# Altium PCB PCB2_routed2layers.PcbDoc (part 1 of 2)
Units mm, origin at the board's own origin, x right, y up, seen from the top; angles counter-clockwise.
Board outline 72 x 72 mm, 2 copper layers (Top Layer, Bottom Layer), stack 0.325 mm thick; 110 components, 127 nets, 562 pads, 188 vias.
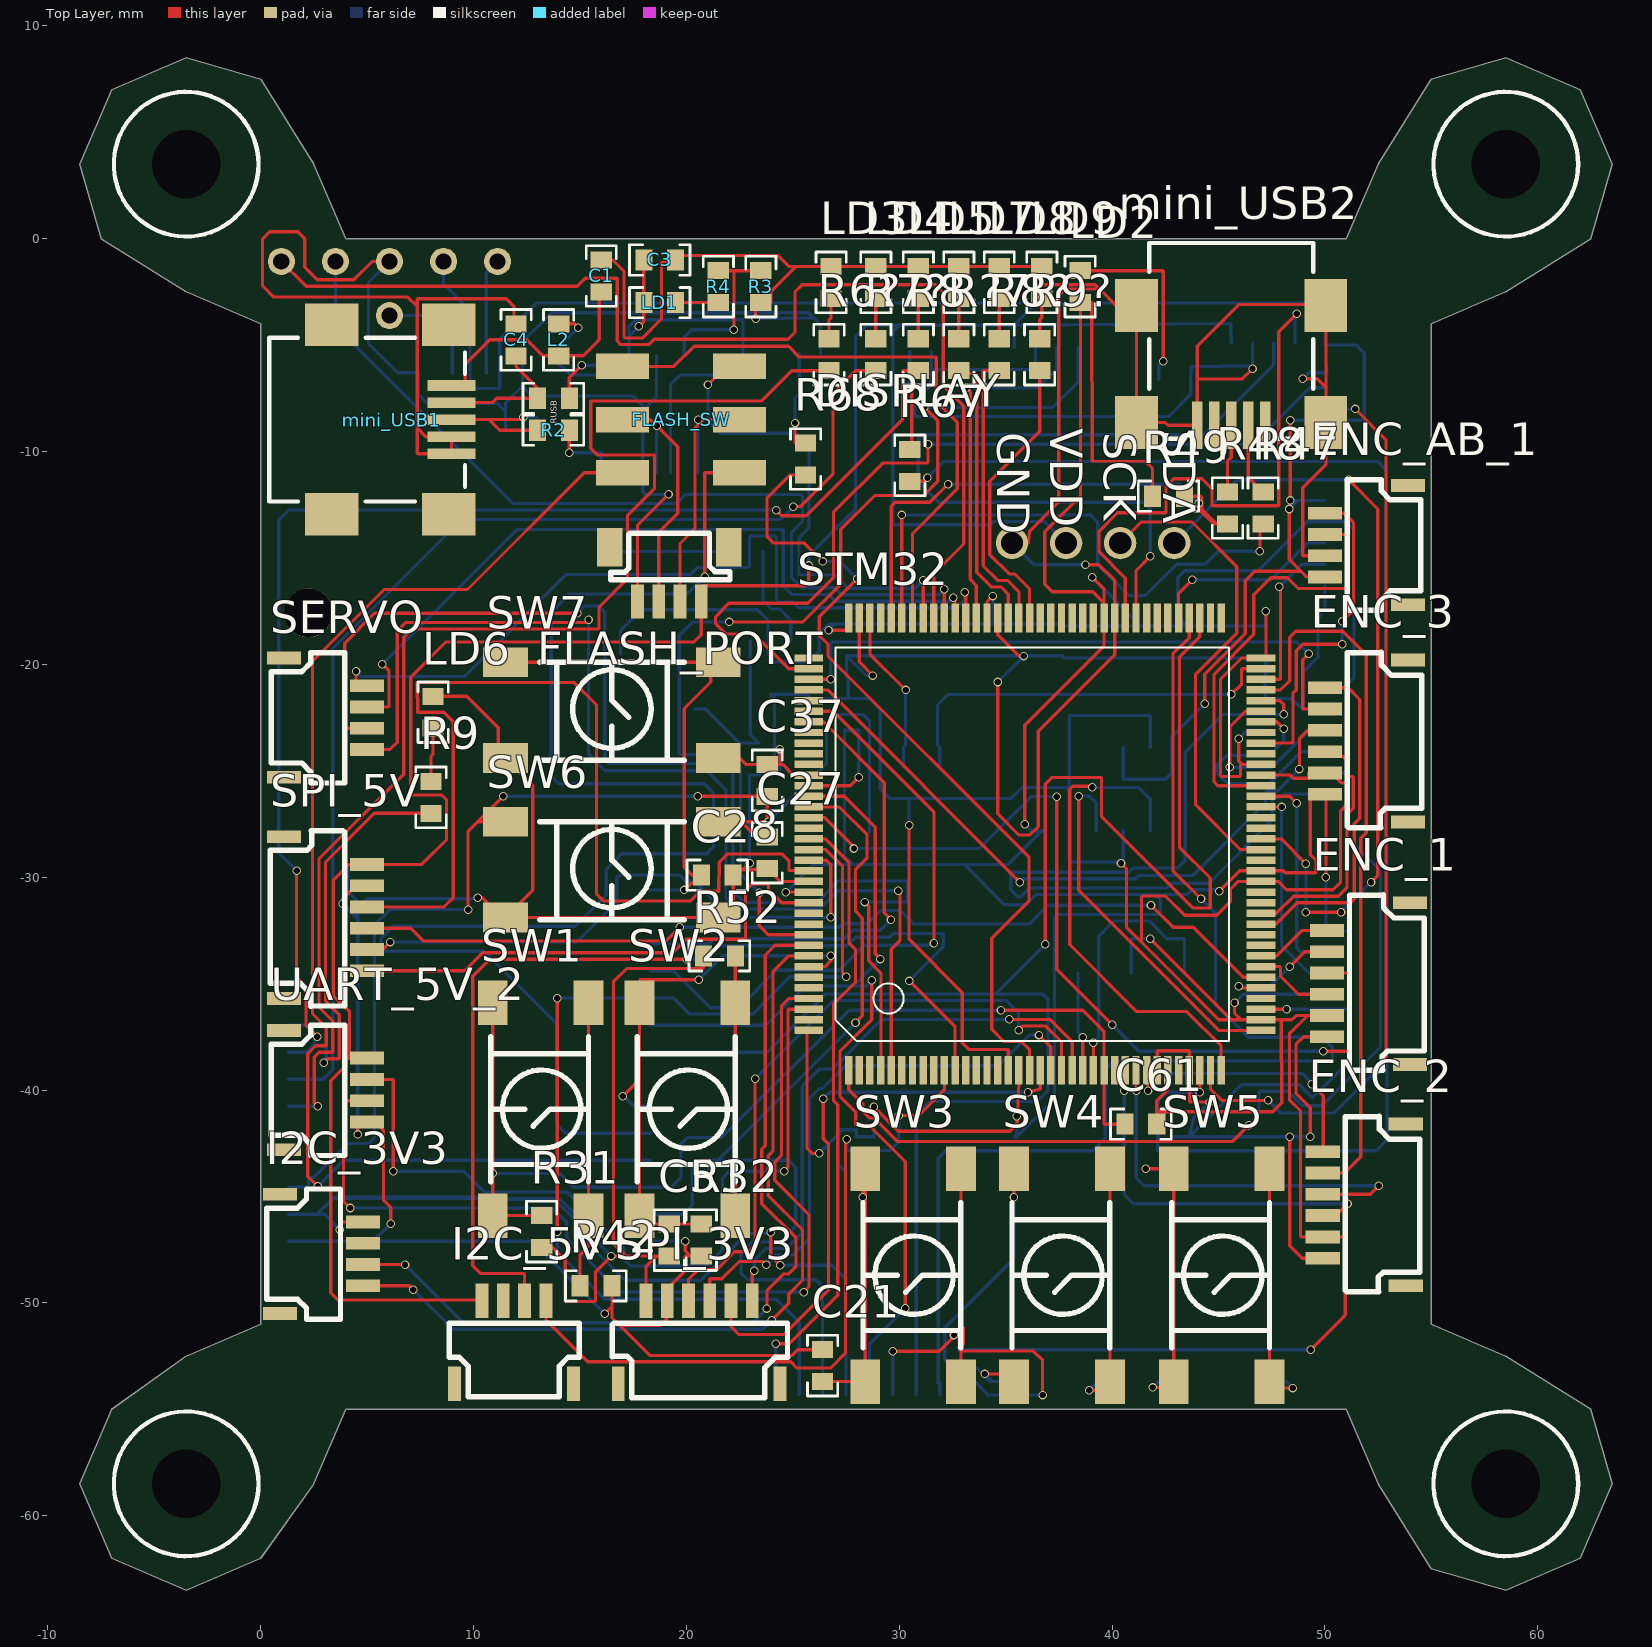
[diagram p0: Top Layer view]
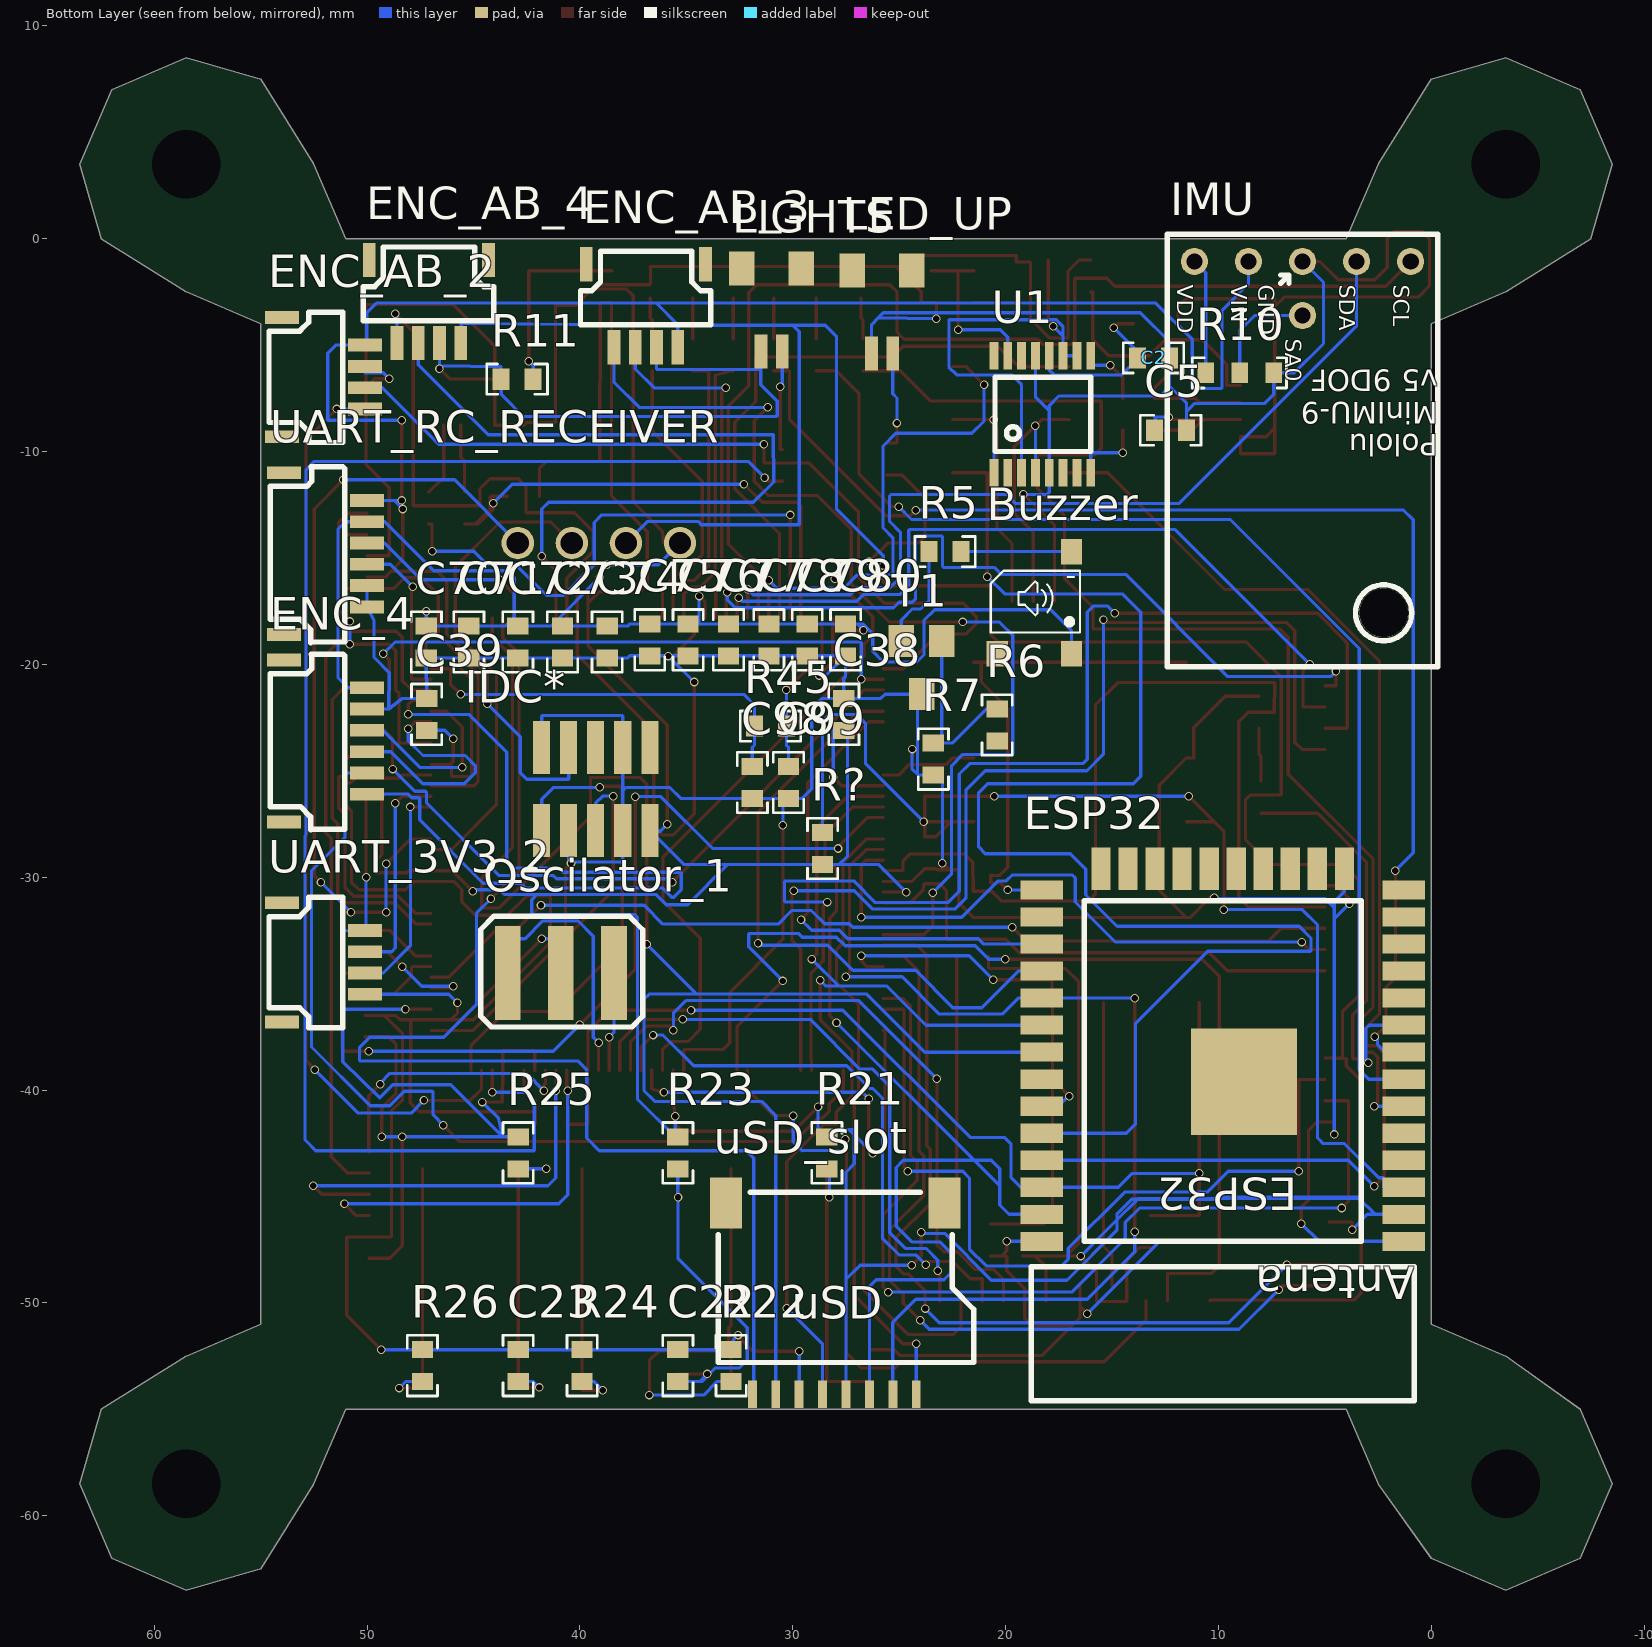
[diagram p1: Bottom Layer view, seen from below]

## Layer stack, top to bottom
Top Solder: solder mask 0.0102, Solder Resist, Dk 3.5
Top Layer: signal copper 0.0356
Dielectric 1: core 0.254, FR-4, Dk 4.2
Bottom Layer: signal copper 0.0356
Bottom Solder: solder mask 0.0102, Solder Resist, Dk 3.5

## Board outline
-7,-62 -3.5,-63.5 0,-62 2.5,-58.5 4,-55 51,-55 52.5,-58.5 55,-62.5 58.5,-63.5 62,-62 63.5,-58.5 62.5,-55 58.5,-52.5 55,-51 55,-4 58.5,-2.5 62.5,0 63.5,3.5 62,7 58.5,8.5 55,7.5 52.5,3.5 51,0 4,0 2.5,3.5 0,7.5 -3.5,8.5 -7,7 -8.5,3.5 -7.5,0 -3.5,-2.5 0,-4 0,-51 -3.5,-52.5 -7,-55 -8.5,-58.5

## Design rules (kind name [scope] priority, off if disabled: settings)
Clearance [All] p1: gap=0.152
PolygonConnect [All] p1: connectstyle=Relief reliefconductorwidth=0.254 reliefentries=4 polygonreliefangle="90 Angle" airgapwidth=0.254
RoutingVias [All] p1: holewidth=0.3 width=0.4 viastyle="Through Hole" minholewidth=0.3 minwidth=0.4 maxholewidth=0.5 maxwidth=0.6
SolderMaskExpansion [All] p1: expansion=0.102
Width [All] p1: maxlimit=0.254 minlimit=0.152 preferedwidth=0.152 minimp=50.000000 maximp=50.000000 favimp=50.000000
30 further rules are at their usual default settings.

## Components (designator, comment, footprint, x,y, rotation, side; value= is the part's Value field where it differs from the comment)
Buzzer "magnectic_buzzer" SMT-0540-S-R 16.9,-19.5 r180 bottom
C1 "0u1" 0603 16,-1 r270 top
C2 "10u" 0603 12.3,-5.6 r0 bottom
C3 "0u1" 0603 18,-1 r0 top
C4 "47p" 0603 12,-5.5 r90 top
C5 "47p" 0603 13,-9 r180 bottom
C21 "100n" 0603 26.4,-53.7 r90 top
C22 "100n" 0603 35.4,-53.7 r90 bottom
C23 "100n" 0603 42.9,-53.7 r90 bottom
C27 "0.1uF" 0603 23.8,-28.1 r270 top
C28 "0.1uF" 0603 20.7,-29.9 r0 top
C37 "0.1uF" 0603 23.8,-26.2 r90 top
C38 "22uF" 0603 27.6,-21.6 r270 bottom
C39 "0.1uF" 0603 47.2,-21.6 r270 bottom
C51 "100n" 0603 19.2,-46.3 r270 top
C61 "100n" 0603 40.6,-41.6 r0 top
C70 "4u7" 0603 47.221,-19.7 r90 bottom
C71 "100n" 0603 45.221,-19.7 r90 bottom
C72 "100n" 0603 42.921,-19.7 r90 bottom
C73 "100n" 0603 40.821,-19.7 r90 bottom
C74 "100n" 0603 38.721,-19.7 r90 bottom
C75 "100n" 0603 36.721,-19.6 r90 bottom
C76 "100n" 0603 34.921,-19.6 r90 bottom
C77 "100n" 0603 33.021,-19.6 r90 bottom
C78 "100n" 0603 31.121,-19.6 r90 bottom
C79 "100n" 0603 29.321,-19.6 r90 bottom
C80 "100n" 0603 27.521,-19.6 r90 bottom
C98 "C2u2-ESRmax2" 0603 31.9,-24.8 r270 bottom
C99 "C2u2-ESRmax2" 0603 30.2,-26.3 r90 bottom
DISPLAY "SSD1306" SSD1306 35.3,-14.3 r0 top
ENC_1 "SPI_1" "JST SR SH 1.0 - 6PIN" 54,-38.8 r90 top
ENC_2 "SPI_2" "JST SR SH 1.0 - 6PIN" 53.8,-49.2 r90 top
ENC_3 "SPI_3" "JST SR SH 1.0 - 6PIN" 53.9,-27.4 r90 top
ENC_4 "SPI_4" "JST SR SH 1.0 - 6PIN" 53.9,-19.8 r270 bottom
ENC_AB_1 "4 PIN CONNECTOR" "JST SR SH 1.0 - 4PIN" 53.9,-17.2 r90 top
ENC_AB_2 "4 PIN CONNECTOR" "JST SR SH 1.0 - 4PIN" 54,-3.7 r270 bottom
ENC_AB_3 "4 PIN CONNECTOR" "JST SR SH 1.0 - 4PIN" 34.1,-1.2 r0 bottom
ENC_AB_4 "4 PIN CONNECTOR" "JST SR SH 1.0 - 4PIN" 44.3,-1 r0 bottom
ESP32 "ESP-WROOM-32" ESP-WROOM-32 9.8,-30.6 r0 bottom
FLASH_PORT "UART_1" "JST SR SH 1.0 TOP - 4PIN" 22,-14.5 r180 top
FLASH_SW "DPDT_C&K" JS202011SCQN_C&K 22.5,-6 r270 top (schematic designator SW_DPDT_USER_USB)
I2C_3V3 "I2C_1" "JST SR SH 1.0 - 4PIN" 0.9,-44.9 r270 top
I2C_5V "I2C_2" "JST SR SH 1.0 - 4PIN" 9.1,-53.8 r0 top
IDC* "IDC" IDC_10_1.27 41.8,-27.8 r180 bottom
IMU "MinIMU-9 v5 9DOF" "MinIMU-9 v5 9DOF - GOLDPINS" 12.4,0.2 r0 bottom
L2 "1u" R0603 14,-5.5 r90 top
LD1 "GREEN" 0603 18,-3 r0 top
LD2 "GREEN" 0603 38.5,-3 r90 top
LD3 "BLUE_BT" 0603 26.8,-2.8 r90 top
LD4 "BLUE_WIFI" 0603 28.9,-2.8 r90 top
LD5 "BLUE_STM" 0603 30.9,-2.8 r90 top
LD6 "RED_FAULT" 0603 8.1,-23 r90 top
LD7 "BLUE_WIFI" 0603 32.8,-2.8 r90 top
LD8 "BLUE_STM" 0603 34.7,-2.8 r90 top
LD9 "RED_FAULT" 0603 36.7,-2.8 r90 top
LED_UP "2 PIN CONNECTOR" "JST SR SH 1.0 - 2pin" 24.4,-1.5 r0 bottom
LIGHTS "2 PIN CONNECTOR" "JST SR SH 1.0 - 2pin" 29.6,-1.4 r0 bottom
mini_USB1 "651305142821" 651305142821 5,-8.5 r270 top
mini_USB2 "651305142821" 651305142821 45.6,-4.8 r180 top
Oscilator_1 "CSTCC8M00G53-R0" CSTCC8M00G53-R0 43.4,-34.5 r180 bottom
R2 "27" R0603 14.5,-9 r180 top
R3 "3k3" R0603 23.5,-1.5 r270 top
R4 "220" R0603 21.5,-3 r90 top
R5 "27" R0603 22.1,-14.7 r0 bottom
R6 "1k" R0603 20.4,-23.6 r90 bottom
R6? "220" R0603 26.7,-6.2 r90 top
R7 "10k" R0603 23.4,-25.2 r90 bottom
R7? "220" R0603 28.9,-6.2 r90 top
R8 "220" R0603 30.9,-6.2 r90 top
R8? "220" R0603 34.7,-6.2 r90 top
R9 "220" R0603 8,-27 r90 top
R9? "220" R0603 36.6,-6.2 r90 top
R10 "10k" "R0603 - double" 9,-6.3 r180 bottom
R11 "220" R0603 42.2,-6.6 r0 bottom
R21 "10k" R0603 28.4,-43.7 r90 bottom
R22 "330" R0603 32.9,-52.2 r270 bottom
R23 "10k" R0603 35.4,-43.7 r90 bottom
R24 "330" R0603 39.9,-52.2 r270 bottom
R25 "10k" R0603 42.9,-43.7 r90 bottom
R26 "330" R0603 47.4,-52.2 r270 bottom
R31 "10k" R0603 13.2,-45.9 r270 top
R32 "10k" R0603 20.7,-47.8 r90 top
R42 "330" R0603 16.5,-49.2 r180 top
R45 "0" R0603 30.3,-22.9 r0 bottom
R47 "22" R0603 47.1,-13.4 r90 top
R48 "22" R0603 45.425,-13.4 r90 top
R49 "1.5k" R0603 41.9,-12.1 r0 top
R52 "330" R0603 20.8,-33.7 r0 top
R67 "1K" R0603 30.5,-11.4 r90 top
R68 "270" R0603 25.6,-11.1 r90 top
R? "10k" R0603 28.6,-27.9 r270 bottom
R?7 "220" R0603 32.8,-6.2 r90 top
RUSB "27" R0603 14.5,-7.5 r180 top (schematic designator R1)
SERVO "TIMERS" "JST SR SH 1.0 - 4PIN" 1.1,-19.7 r270 top
SPI_3V3 "SPI_5" "JST SR SH 1.0 - 6PIN" 16.8,-53.8 r0 top
SPI_5V "SPI_6" "JST SR SH 1.0 - 6PIN" 1.1,-28.1 r270 top
STM32 "STM32F765ZIT6" LQFP144 47,-37.2 r0 top
SW1 "RESET" "LSH Gullwing" 15.4,-35.9 r90 top
SW2 "BOOT" "LSH Gullwing" 22.3,-35.9 r90 top
SW3 "LEFT" "LSH Gullwing" 32.9,-43.7 r90 top
SW4 "MIDDLE" "LSH Gullwing" 39.9,-43.7 r90 top
SW5 "RIGHT" "LSH Gullwing" 47.4,-43.7 r90 top
SW6 "RESET" "LSH Gullwing" 11.5,-27.396 r180 top
SW7 "BOOT" "LSH Gullwing" 11.5,-19.896 r180 top
T1 "NPN" SOT23 23,-18.9 r0 bottom
U1 "FT230XS" SSOP16 16,-5.5 r180 bottom
UART_3V3_2 "UART_4PIN" "JST SR SH 1.0 - 4PIN" 54,-31.2 r270 bottom
UART_5V_2 "UART_4PIN" "JST SR SH 1.0 - 4PIN" 1.1,-37.2 r270 top
UART_RC_RECEIVER "UART_X" "JST SR SH 1.0 - 6PIN" 53.9,-11 r270 bottom
uSD_slot "ATTEND 112K-TAA0-RA1" "ATTEND 112K-TAA0-RA1" 33.5,-45.3 r180 bottom

## Footprints (in the part's own frame and the unit in brackets; to place one, negate y for a bottom-side part, rotate by r counter-clockwise, add the part's x,y. Pads: shape width x height; smd on the part's side, far side on the other; paste and mask are expansions set on the pad)
0603 [mm]
  rect 0.8x1 smd: 1(0,0) 2(1.5,0)
  silkscreen extent -0.67,-0.71 2.17,0.71, body extent -0.01,-0.43 1.59,0.43, height 0.83
651305142821 [mm] "Mini USB 2.0 Type AB SMT Horizontal 5 Contacts"
  rect 0.5x2.25 smd: 1(-1.6,3.965) 2(-0.8,3.965) 3(0,3.965) 4(0.8,3.965) 5(1.6,3.965)
  rect 2x2.5 smd: Shell(-4.45,3.84) Shell(-4.45,-1.66) Shell(4.45,3.84) Shell(4.45,-1.66)
  silkscreen extent -3.85,-4.6 3.85,4.6, body extent -4.95,-4.6 4.95,4.8, height 4.1
"ATTEND 112K-TAA0-RA1" [mm]
  rect 0.42x1.3 smd: 1(9.3,-9) 2(8.2,-9) 3(7.1,-9) 4(6,-9) 5(4.9,-9) 6(3.8,-9) 7(2.7,-9) 8(1.6,-9)
  rect 1.5x2.4 smd: ""(0.37,0) ""(10.63,0)
  silkscreen extent 0,-7.5 12,0.5, body extent 0,-8.96 12.1,1, height 1.49
CSTCC8M00G53-R0 [mm]
  rect 1.2x4.4 smd: 1(0,0) 2(2.5,0) 3(5,0)
  silkscreen extent -1.27,-2.54 6.35,2.67, body extent -1.06,-1.52 6.14,1.48, height 1.25
ESP-WROOM-32 [mm]
  rect 2x0.9 smd: 1(-8.5,16.51) 2(-8.5,15.24) 3(-8.5,13.97) 4(-8.5,12.7) 5(-8.5,11.43) 6(-8.5,10.16) 7(-8.5,8.89) 8(-8.5,7.62) 9(-8.5,6.35) 10(-8.5,5.08) 11(-8.5,3.81) 12(-8.5,2.54) 13(-8.5,1.27) 14(-8.5,0) 25(8.5,0) 26(8.5,1.27) 27(8.5,2.54) 28(8.5,3.81) 29(8.5,5.08) 30(8.5,6.35) 31(8.5,7.62) 32(8.5,8.89) 33(8.5,10.16) 34(8.5,11.43) 35(8.5,12.7) 36(8.5,13.97) 37(8.5,15.24) 38(8.5,16.51)
  rect 0.9x2 smd: 15(-5.715,-1) 16(-4.445,-1) 17(-3.175,-1) 18(-1.905,-1) 19(-0.635,-1) 20(0.635,-1) 21(1.905,-1) 22(3.175,-1) 23(4.445,-1) 24(5.715,-1)
  rect 5x5 smd: ""(-1,9.01)
  silkscreen extent -9,0.51 9,24, body extent -9,-1.5 9,24, height 2.91
IDC_10_1.27 [mm]
  rect 0.8x2.5 smd: 1(0,0) 2(1.27,0) 3(2.54,0) 4(3.81,0) 5(5.08,0) 6(0,3.9) 7(1.27,3.9) 8(2.54,3.9) 9(3.81,3.9) 10(5.08,3.9)
  body extent -3.85,-0.84 8.75,4.83, height 5.65
JS202011SCQN_C&K [mm]
  rect 1.2x2.5 smd: 1(0,-5.5) 2(2.5,-5.5) 3(5,-5.5) 4(0,0) 5(2.5,0) 6(5,0)
  body extent -2,-6.55 7,0.95, height 5.52
"JST SR SH 1.0 - 2pin" [mm]
  rect 1.2x1.6 smd: 0(0,0) 0(2.8,0)
  rect 0.6x1.6 smd: 1(0.9,3.9) 2(1.9,3.9)
  body extent -0.59,-0.87 3.4,4.12, height 3
"JST SR SH 1.0 - 4PIN" [mm]
  rect 0.6x1.6 smd: 1(1.3,3.9) 2(2.3,3.9) 3(3.3,3.9) 4(4.3,3.9) 7(5.6,0) 8(0,0)
  silkscreen extent -0.25,-0.61 5.88,2.85, body extent -0.22,-0.75 5.77,4.2, height 2.96
"JST SR SH 1.0 - 6PIN" [mm]
  rect 0.6x1.6 smd: 1(1.3,3.9) 2(2.3,3.9) 3(3.3,3.9) 4(4.3,3.9) 5(5.3,3.9) 6(6.3,3.9) 7(7.6,0) 8(0,0)
  silkscreen extent -0.28,-0.66 7.98,2.84, body extent -0.16,-0.66 7.84,4.29, height 2.9
"JST SR SH 1.0 TOP - 4PIN" [mm]
  rect 0.6x1.6 smd: 1(1.3,2.55) 2(2.3,2.55) 3(3.3,2.55) 4(4.3,2.55)
  rect 1.2x1.8 smd: 7(5.6,0) 8(0,0)
  silkscreen extent -0.05,-0.66 5.55,1.52, body extent -0.22,-0.88 5.77,2.72, height 4.35
LQFP144 [mm]
  rect 0.35x1.35 smd: 1(-19.375,-1.875) 2(-18.875,-1.875) 3(-18.375,-1.875) 4(-17.875,-1.875) 5(-17.375,-1.875) 6(-16.875,-1.875) 7(-16.375,-1.875) 8(-15.875,-1.875) 9(-15.375,-1.875) 10(-14.875,-1.875) 11(-14.375,-1.875) 12(-13.875,-1.875) 13(-13.375,-1.875) 14(-12.875,-1.875) 15(-12.375,-1.875) 16(-11.875,-1.875) 17(-11.375,-1.875) 18(-10.875,-1.875) 19(-10.375,-1.875) 20(-9.875,-1.875) 21(-9.375,-1.875) 22(-8.875,-1.875) 23(-8.375,-1.875) 24(-7.875,-1.875) 25(-7.375,-1.875) 26(-6.875,-1.875) 27(-6.375,-1.875) 28(-5.875,-1.875) 29(-5.375,-1.875) 30(-4.875,-1.875) 31(-4.375,-1.875) 32(-3.875,-1.875) 33(-3.375,-1.875) 34(-2.875,-1.875) 35(-2.375,-1.875) 36(-1.875,-1.875) 73(-1.875,19.375) 74(-2.375,19.375) 75(-2.875,19.375) 76(-3.375,19.375) 77(-3.875,19.375) 78(-4.375,19.375) 79(-4.875,19.375) 80(-5.375,19.375) 81(-5.875,19.375) 82(-6.375,19.375) 83(-6.875,19.375) 84(-7.375,19.375) 85(-7.875,19.375) 86(-8.375,19.375) 87(-8.875,19.375) 88(-9.375,19.375) 89(-9.875,19.375) 90(-10.375,19.375) 91(-10.875,19.375) 92(-11.375,19.375) 93(-11.875,19.375) 94(-12.375,19.375) 95(-12.875,19.375) 96(-13.375,19.375) 97(-13.875,19.375) 98(-14.375,19.375) 99(-14.875,19.375) 100(-15.375,19.375) 101(-15.875,19.375) 102(-16.375,19.375) 103(-16.875,19.375) 104(-17.375,19.375) 105(-17.875,19.375) 106(-18.375,19.375) 107(-18.875,19.375) 108(-19.375,19.375)
  rect 1.35x0.35 smd: 37(0,0) 38(0,0.5) 39(0,1) 40(0,1.5) 41(0,2) 42(0,2.5) 43(0,3) 44(0,3.5) 45(0,4) 46(0,4.5) 47(0,5) 48(0,5.5) 49(0,6) 50(0,6.5) 51(0,7) 52(0,7.5) 53(0,8) 54(0,8.5) 55(0,9) 56(0,9.5) 57(0,10) 58(0,10.5) 59(0,11) 60(0,11.5) 61(0,12) 62(0,12.5) 63(0,13) 64(0,13.5) 65(0,14) 66(0,14.5) 67(0,15) 68(0,15.5) 69(0,16) 70(0,16.5) 71(0,17) 72(0,17.5) 109(-21.25,17.5) 110(-21.25,17) 111(-21.25,16.5) 112(-21.25,16) 113(-21.25,15.5) 114(-21.25,15) 115(-21.25,14.5) 116(-21.25,14) 117(-21.25,13.5) 118(-21.25,13) 119(-21.25,12.5) 120(-21.25,12) 121(-21.25,11.5) 122(-21.25,11) 123(-21.25,10.5) 124(-21.25,10) 125(-21.25,9.5) 126(-21.25,9) 127(-21.25,8.5) 128(-21.25,8) 129(-21.25,7.5) 130(-21.25,7) 131(-21.25,6.5) 132(-21.25,6) 133(-21.25,5.5) 134(-21.25,5) 135(-21.25,4.5) 136(-21.25,4) 137(-21.25,3.5) 138(-21.25,3) 139(-21.25,2.5) 140(-21.25,2) 141(-21.25,1.5) 142(-21.25,1) 143(-21.25,0.5) 144(-21.25,0)
  silkscreen extent -20,-0.5 -1.5,18, body extent -21.62,-2.25 0.38,19.75, height 2
"LSH Gullwing" [mm]
  rect 2.1x1.4 smd: 1(-10,4.5) 2(0,4.5) 3(-10,0) 4(0,0)
  silkscreen extent -8.4,0 -1.6,4.6, body extent -10,-0.75 0,5.25, height 4.97
"MinIMU-9 v5 9DOF - GOLDPINS" [mil]
  round 50 hole 30: 1(-450,50) 2(-350,50) 3(-250,50) 4(-150,50) 5(-50,50) 6(-250,150)
  round 90 hole 90: 7(-400,700)
  silkscreen extent -500,0 0,800, body extent -500,0 0,800, height 336
R0603 [mm]
  rect 0.8x1 smd: 1(0,0) 2(1.5,0)
  silkscreen extent -0.67,-0.71 2.17,0.71, body extent -0.04,-0.43 1.56,0.43, height 0.48
"R0603 - double" [mil]
  rect 31x38 smd: 1(-63,0) 2(0,0) 3(62.99,0)
  silkscreen extent -88,-28 87,28, body extent -64,-17 67,17, height 19
SMT-0540-S-R [mm]
  rect 1x1.2 smd: 1(0,4.8) 2(0,0) ""(-3.5,0)
  silkscreen extent -3.8,1 0.4,3.9, body extent -4.25,-0.4 0.75,5.1, height 2.11
SOT23 [mm]
  rect 1.2x1.5 smd: 1(0,0) 2(1.9,0) 3(0.95,2.5)
  body extent -0.48,0.02 2.52,2.52, height 1.06
SSD1306 [mil]
  round 60 hole 41.34: 1(0,0) 2(100,0) 3(200,0) 4(300,0)
  body extent -376,-1006 675,91, height 373
SSOP16 [mm]
  rect 0.42x1.3 smd: 1(-4.55,-5.5) 2(-3.9,-5.5) 3(-3.25,-5.5) 4(-2.6,-5.5) 5(-1.95,-5.5) 6(-1.3,-5.5) 7(-0.65,-5.5) 8(0,-5.5) 9(0,0) 10(-0.65,0) 11(-1.3,0) 12(-1.95,0) 13(-2.6,0) 14(-3.25,0) 15(-3.9,0) 16(-4.55,0)
  silkscreen extent -4.5,-4.5 0,-1, body extent -4.91,-6 0.39,0.46, height 1.65

## Part data
C1 C2 C3 C4 C5 C21 C22 C23 C27 C28 C37 C38 C39 C51 C61 C70 C71 C72 C73 C74 C75 C76 C77 C78 C79 C80 C98 C99: library part Cap
ENC_1 ENC_2 ENC_3 ENC_4 SPI_3V3 SPI_5V: library part SPI
FLASH_PORT: library part UART_4PIN
I2C_3V3 I2C_5V: library part I2C
L2: library part L
LD1 LD2 LD3 LD4 LD5 LD6 LD7 LD8 LD9: library part LED
mini_USB1 mini_USB2: "Mini USB 2.0 Type AB Receptacle WR-COM, Horizontal, SMT, with Pads"
R2 R3 R4 R5 R6 R6? R7 R7? R8 R8? R9 R9? R11 R21 R22 R23 R24 R25 R26 R31 R32 R42 R45 R47 R48 R49 R52 R67 R68 R? R?7 RUSB: library part Res
R10: library part Res_2_way
SERVO: library part "4 PIN CONNECTOR"
SW1 SW2 SW3 SW4 SW5 SW6 SW7: library part Tact_Switch_Simply
U1: library part FT230XS_ON_BOARD
UART_RC_RECEIVER: library part UART

## Free pads (board coordinates)
  round 0 hole 3.2: ""(-3.5,-58.5) ""(-3.5,3.5) ""(58.5,-58.5) ""(58.5,3.5)

## Via types
v1: diameter 0.4, hole 0.3, Top Layer to Bottom Layer, 188 vias

## Nets (pads, with @x,y where several pads share a name; then routed paths per layer and width w, separated by ;. In a path a pad name is that pad's centre, name@x,y a point inside that pad or via, vN(x,y) a via of type N, cw(c..) or ccw(c..) an arc to the next point about the centre after c; other vN are vias at no path point)
GND: C1.1 C2.1 C3.2 C4.2 C5.2 C21.2 C22.2 C23.2 C27.2 C28.2 C37.2 C38.1 C39.1 C61.2 C70.1 C71.1 C72.1 C73.1 C74.1 C75.1 C76.1 C77.1 C78.1 C79.1 C80.1 C98.2 C99.1 DISPLAY.1 ENC_1.2 ENC_2.2 ENC_3.2 ENC_4.2 ENC_AB_1.2 ENC_AB_2.2 ENC_AB_3.2 ENC_AB_4.2 ESP32.1 ESP32.15 ESP32.38 FLASH_PORT.4 IDC*.2 IDC*.4 IDC*.6 IDC*.9 IMU.3 LD3.2 LD4.2 LD5.2 LD6.2 LD7.2 LD8.2 LD9.2 LED_UP.2 LIGHTS.2 mini_USB1.4 mini_USB1.5 mini_USB2.5 mini_USB2.Shell Oscilator_1.2 R3.2 R7.1 R10.3 R11.2 R22.1 R24.1 R26.1 R32.1 R42.1 SPI_3V3.2 SPI_5V.2 STM32.16 STM32.31 STM32.38 STM32.51 STM32.61 STM32.83 STM32.94 STM32.107 STM32.120 STM32.130 SW6.1 SW6.2 SW7.1 SW7.2 T1.3 U1.5 U1.13 UART_3V3_2.4 UART_5V_2.4 UART_RC_RECEIVER.5 UART_RC_RECEIVER.6 uSD_slot.6 | length 548.3
  Top Layer w0.152: v1(3.845,-31.242) 3.845,-31.013 4.458,-30.4 SPI_5V.2@5,-30.4 ; v1(4.556,-42.088) 4.556,-41.5 UART_5V_2.4@5,-41.5 5.369,-41.5 5.775,-41.906 5.775,-45.187 6.106,-45.517 v1(6.106,-46.279) ; IMU.3@6.05,-1.07 5.242,-1.07 4.378,-1.934 2.651,-1.934 2.067,-1.349 2.067,0 1.737,0.33 0.416,0.33 0.086,0 0.086,-2.222 0.607,-2.743 6.918,-2.743 7.35,-3.175 ; LD6.2@8.1,-21.5 9.687,-21.5 11.16,-22.973 11.16,-24.396 SW7.2@11.5,-24.396 12.786,-25.682 12.786,-30.611 SW6.2@11.5,-31.896 ; v1(10.195,-30.963) 10.404,-30.963 11.338,-31.896 SW6.2@11.5,-31.896 ; C4.2@12,-4 11.897,-4 11.897,-3.175 11.541,-2.819 7.376,-2.819 7.35,-2.845 7.35,-3.175 ; C1.1@16,-1 16.545,-1 17.069,-1.524 17.069,-4.635 17.104,-4.67 17.926,-4.67 18.831,-3.765 18.831,-1.118 18.856,-1.092 19.5,-1.092 C3.2@19.5,-1 19.5,-0.787 24.292,-0.787 24.805,-1.3 25.156,-1.3 ; v1(16.164,-50.508) 16.5,-50.172 ; R42.1@16.5,-49.2 16.5,-50.172 ; FLASH_PORT.4@17.7,-17.05 17.7,-13.475 v1(19.161,-12.014) ; v1(19.949,-47.11) 19.949,-47.559 20.19,-47.8 ; R32.1@20.7,-47.8 20.19,-47.8 ; SW7.1@21.5,-24.396 22.489,-24.396 22.792,-24.7 C37.2@23.8,-24.7 24.394,-24.7 ; v1(22.971,-29.337) 22.654,-29.655 ; v1(23.251,-3.759) 23.251,-3 R3.2@23.5,-3 23.966,-3 23.966,-2.489 25.156,-1.3 ; v1(24.394,-23.978) 24.394,-24.7 ; STM32.130@25.75,-30.2 24.4,-30.2 C27.2@23.8,-29.6 23.27,-29.6 23.215,-29.655 22.654,-29.655 ; STM32.120@25.75,-25.2 25.021,-25.2 24.521,-24.7 24.394,-24.7 ; C21.2@26.4,-52.2 25.233,-52.2 24.967,-52.467 18.28,-52.467 16.863,-51.049 ; STM32.107@28.125,-17.825 28.125,-19.886 v1(28.762,-20.523) ; v1(29.7,-52.273) 31.887,-52.273 32.572,-51.587 v1(32.572,-51.511) ; v1(30.464,-27.559) 30.464,-32.918 32.966,-35.42 32.966,-37.782 33.284,-38.1 35.1,-38.1 35.125,-38.125 STM32.16@35.125,-39.075 ; STM32.94@34.625,-17.825 34.625,-18.604 35.63,-19.609 v1(35.849,-19.609) ; v1(34.63,-20.828) 34.63,-27.026 35.62,-28.016 36.141,-28.016 36.535,-27.622 36.535,-23.139 40.125,-19.549 STM32.83@40.125,-17.825 40.125,-16.056 39.386,-15.316 v1(38.751,-15.316) ; DISPLAY.1@35.3,-14.3 36.078,-14.3 36.124,-13.745 37.5,-12.37 37.5,-2.68 37.818,-2.362 39.415,-2.362 ; LD9.2@36.7,-1.3 LD9.2@36.687,-1.3 ; v1(40.421,-29.337) 40.675,-29.591 40.675,-32.357 41.386,-33.068 ; v1(41.793,-32.893) 45.6,-36.7 ; STM32.31@42.625,-39.075 42.625,-39.98 42.1,-40.505 C61.2@42.1,-41.6 42.125,-41.021 47.558,-41.021 47.978,-40.602 47.949,-36.7 ; v1(45.755,-35.906) 45.755,-36.383 46.073,-36.7 ; v1(46.6,-6.105) 46.115,-6.59 44,-6.59 ; STM32.61@47,-25.2 48.371,-25.2 48.52,-25.349 49.235,-25.349 49.235,-25.1 ENC_3.2@50,-25.1 50.306,-25.1 50.778,-25.571 50.997,-25.571 51.029,-25.603 51.029,-26.594 50.737,-26.885 50.737,-30.23 50.382,-30.586 48.198,-30.586 47.812,-30.2 STM32.51@47,-30.2 45.933,-30.2 45.556,-30.577 45.556,-31.143 44.917,-31.782 43.406,-31.782 42.51,-30.886 41.412,-30.886 41.386,-30.912 41.386,-33.068 ; v1(48.955,-6.579) 49.644,-6.579 50.05,-6.985 ; v1(49.336,-52.2) 50.962,-50.574 50.962,-46.925 50.937,-46.9 ENC_2.2@49.9,-46.9 48.879,-46.9 48.854,-46.875 48.854,-40.976 48.336,-40.459 48.336,-37.347 49.184,-36.5 ; ENC_AB_1.2@50,-14.9 48.981,-14.9 48.955,-14.875 48.955,-11.706 50.05,-10.612 mini_USB2.Shell@50.05,-8.64 50.05,-6.985 ; ENC_1.2@50.1,-36.5 49.184,-36.5 ; 7.35,-8.89 7.35,-10.075 7.376,-10.1 mini_USB1.5@8.965,-10.1 mini_USB1.4@8.965,-9.3 7.76,-9.3 7.35,-8.89 ; 7.35,-8.89 7.35,-3.175 ; SW6.2@11.5,-31.896 SW6.1@21.5,-31.896 22.2,-31.196 C28.2@22.2,-29.9 22.2,-29.655 22.654,-29.655 ; 16.5,-50.172 16.5,-50.687 16.863,-51.049 ; 16.863,-51.049 18.768,-51.049 19.1,-50.717 SPI_3V3.2@19.1,-49.9 19.1,-49.337 19.949,-48.489 19.949,-47.825 19.974,-47.8 20.19,-47.8 ; 25.156,-1.3 LD3.2@26.8,-1.3 LD4.2@28.9,-1.3 LD5.2@30.9,-1.3 LD7.2@32.8,-1.3 LD8.2@34.7,-1.3 LD9.2@36.687,-1.3 ; LD9.2@36.687,-1.3 36.687,-2.134 36.713,-2.159 39.211,-2.159 39.415,-2.362 ; 39.415,-2.362 40.192,-3.14 mini_USB2.Shell@41.15,-3.14 mini_USB2.Shell@41.15,-8.64 42.504,-8.64 42.629,-8.765 mini_USB2.5@44,-8.765 44,-6.59 ; 41.386,-33.068 45.018,-36.7 45.6,-36.7 ; 44,-6.59 44,-5.047 45.955,-3.093 50.05,-3.093 mini_USB2.Shell@50.05,-3.14 50.05,-6.985 ; 45.6,-36.7 46.073,-36.7 ; 46.073,-36.7 STM32.38@47,-36.7 47.949,-36.7 ; 47.949,-36.7 48.447,-36.7 48.647,-36.5 49.184,-36.5
  Bottom Layer w0.152: ESP32.1@1.3,-47.11 5.274,-47.11 ; v1(3.845,-31.242) 4.556,-31.953 ; ESP32.15@4.085,-29.6 4.085,-30.683 4.556,-31.154 4.556,-31.432 ; v1(4.556,-42.088) 4.556,-31.953 ; IMU.3@6.05,-1.07 5.064,-2.056 5.064,-4.928 6.437,-6.3 R10.3@7.4,-6.3 7.4,-7.302 7.844,-7.747 11.148,-7.747 11.5,-8.1 ; v1(6.106,-46.279) 5.274,-47.11 ; v1(10.195,-30.963) 10.144,-31.013 4.975,-31.013 4.556,-31.432 ; C5.2@11.5,-9 11.5,-8.1 ; v1(16.164,-50.508) 12.766,-47.11 5.274,-47.11 ; ESP32.38@18.3,-47.11 v1(19.949,-47.11) ; U1.13@18.6,-5.5 18.6,-7.43 17.95,-8.08 ; v1(19.161,-12.014) 18.052,-12.014 17.95,-11.913 U1.5@17.95,-11 17.95,-8.08 ; v1(22.971,-29.337) 22.971,-25.2 R7.1@23.4,-25.2 24.114,-25.2 24.14,-25.175 ; v1(23.251,-3.759) 25.976,-3.715 ; v1(24.394,-23.978) 24.394,-24.921 24.14,-25.175 ; LED_UP.2@26.3,-5.4 26.3,-4.039 25.976,-3.715 ; v1(28.762,-20.523) 28.444,-20.523 C80.1@27.521,-19.6 ; uSD_slot.6@29.7,-54.3 v1(29.7,-52.273) ; v1(30.464,-27.559) C99.1@30.464,-26.3 ; LIGHTS.2@31.5,-5.3 31.5,-6.121 ; v1(32.572,-51.511) 32.801,-51.74 32.801,-52.2 R22.1@32.9,-52.2 C22.2@35.4,-52.2 R24.1@39.9,-52.2 C23.2@42.9,-52.2 R26.1@47.4,-52.2 v1(49.336,-52.2) ; v1(34.63,-20.828) v1(35.849,-19.609) v1@35.858,-19.6 ; DISPLAY.1@35.3,-14.3 36.316,-15.316 v1(38.751,-15.316) ; ENC_AB_3.2@36.4,-5.1 36.4,-6.121 36.375,-6.147 31.525,-6.147 31.5,-6.121 ; IDC*.2@40.53,-27.8 40.53,-29.228 v1(40.421,-29.337) 40.421,-29.286 38.066,-29.286 37.99,-29.21 IDC*.4@37.99,-27.8 37.99,-26.885 37.99,-25.936 ; Oscilator_1.2@40.9,-34.5 40.9,-32.893 v1(41.793,-32.893) ; IDC*.6@41.8,-23.9 41.8,-22.428 41.775,-22.403 38.015,-22.403 37.99,-22.428 IDC*.9@37.99,-23.9 37.99,-25.936 ; v1(45.755,-35.906) 46.161,-35.5 UART_3V3_2.4@50.1,-35.5 ; v1(46.6,-6.105) v1@46.6,-5.969 ; ENC_AB_4.2@46.6,-4.9 v1@46.6,-5.969 ; v1(48.955,-6.579) 49.235,-6.299 50.1,-6.299 ENC_AB_2.2@50.1,-6 ; ENC_4.2@50,-22.1 48.981,-22.1 ; UART_RC_RECEIVER.5@50,-16.3 UART_RC_RECEIVER.6@50,-17.3 49.676,-17.925 49.676,-19.675 48.955,-20.396 48.981,-22.1 ; 4.556,-31.953 4.556,-31.432 ; 11.5,-8.1 11.5,-7.722 12.3,-6.922 ; 12.3,-6.922 C2.1@12.3,-5.6 12.3,-4.851 13.672,-3.48 25.741,-3.48 25.976,-3.715 ; 12.3,-6.922 12.706,-7.391 17.498,-7.391 17.95,-7.844 17.95,-8.08 ; 24.14,-25.175 24.14,-21.539 23.95,-21.539 T1.3@23.95,-21.4 25.664,-21.4 25.864,-21.6 C38.1@27.6,-21.6 ; C80.1@27.521,-19.6 27.521,-20.571 27.6,-20.65 C38.1@27.6,-21.6 ; C80.1@27.521,-19.6 C79.1@29.321,-19.6 C78.1@31.121,-19.6 C77.1@33.021,-19.6 C76.1@34.921,-19.6 v1@35.858,-19.6 ; C38.1@27.6,-21.6 28.61,-21.6 29.115,-22.105 29.115,-25.852 29.563,-26.3 C99.1@30.2,-26.3 C99.1@30.464,-26.3 ; C99.1@30.464,-26.3 C98.2@31.9,-26.3 35.271,-26.3 35.787,-25.784 37.839,-25.784 37.99,-25.936 ; 31.5,-6.121 31.5,-6.861 30.734,-7.627 30.734,-8.319 30.769,-8.353 42.662,-8.353 43.7,-7.315 R11.2@43.7,-6.6 43.725,-6.02 46.598,-5.969 v1@46.6,-5.969 ; v1@35.858,-19.6 C75.1@36.721,-19.6 37.652,-19.6 37.752,-19.7 C74.1@38.721,-19.7 C73.1@40.821,-19.7 C72.1@42.921,-19.7 C71.1@45.221,-19.7 46.515,-19.7 C70.1@47.221,-19.7 47.221,-20.654 47.2,-20.676 C39.1@47.2,-21.6 48.346,-21.6 48.981,-22.1
NetBuzzer_1: Buzzer.1 R5.1 | length 5.2
  Bottom Layer w0.152: Buzzer.1@16.9,-14.7 R5.1@22.1,-14.7
NetC1_2: C1.2 L2.1 mini_USB1.1 | length 11.4
  Top Layer w0.152: mini_USB1.1@8.965,-6.9 9.611,-6.9 9.611,-5.893 10.754,-4.75 12.493,-4.75 13.243,-5.5 L2.1@14,-5.5 15.148,-5.5 15.91,-4.738 15.91,-2.5 C1.2@16,-2.5
NetC2_2: C2.2 L2.2 U1.12 | length 8.2
  Top Layer w0.152: L2.2@14,-4 14.73,-4 v1(14.919,-4.189)
  Bottom Layer w0.152: v1(14.919,-4.189) 13.8,-5.309 C2.2@13.8,-5.6 13.8,-5.662 14.538,-6.401 17.721,-6.401 17.95,-6.172 U1.12@17.95,-5.5
NetC3_1: C3.1 LD1.1 U1.3 U1.10 U1.11 | length 21.5
  Top Layer w0.152: v1(17.77,-4.122) 18,-3.892 LD1.1@18,-3 C3.1@18,-1
  Bottom Layer w0.152: U1.10@16.65,-5.5 U1.11@17.3,-5.5 17.3,-4.592 ; v1(17.77,-4.122) 17.3,-4.592 ; U1.3@19.25,-11 19.25,-6.871 19.72,-6.401 22.298,-6.401 22.666,-6.032 22.666,-3.835 22.641,-3.81 17.617,-3.81 17.3,-4.127 17.3,-4.592
NetC4_1: C4.1 mini_USB1.2 RUSB.2 | length 6.5
  Top Layer w0.152: mini_USB1.2@8.965,-7.7 10.881,-7.7 11.081,-7.5 RUSB.2@13,-7.5 13,-7.01 12,-6.01 C4.1@12,-5.5
NetC5_1: C5.1 mini_USB1.3 R2.2 | length 7.2
  Top Layer w0.152: mini_USB1.3@8.965,-8.5 10.728,-8.5 ; v1(12.329,-8.382) 12.211,-8.5 10.728,-8.5 ; R2.2@13,-9 11.228,-9 10.728,-8.5
  Bottom Layer w0.152: v1(12.329,-8.382) 12.975,-8.382 C5.1@13,-9
NetC21_1: C21.1 R21.1 SW3.1 SW3.2 | length 14.9
  Top Layer w0.152: C21.1@26.4,-53.7 27.391,-53.7 SW3.1@28.4,-53.7 28.4,-45.034 SW3.2@28.4,-43.7 28.28,-43.7 v1(28.28,-45.034)
  Bottom Layer w0.152: v1(28.28,-45.034) 28.28,-43.7 R21.1@28.4,-43.7
NetC22_1: C22.1 R23.1 SW4.1 SW4.2 | length 18.9
  Top Layer w0.152: v1(34.02,-53.34) 35.4,-53.34 SW4.1@35.4,-53.7 ; v1(35.392,-45.034) 35.392,-43.976 35.4,-43.967 SW4.2@35.4,-43.7
  Bottom Layer w0.152: v1(34.02,-53.34) 34.38,-53.7 ; C22.1@35.4,-53.7 34.38,-53.7 ; 34.38,-53.7 34.279,-53.7 33.639,-53.061 32.522,-53.061 32.144,-52.683 32.144,-51.172 35.392,-47.924 v1(35.392,-45.034) ; v1(35.392,-45.034) 35.392,-43.7 R23.1@35.4,-43.7 35.4,-45.026 v1(35.392,-45.034)
NetC23_1: C23.1 R25.1 SW5.1 SW5.2 | length 15
  Top Layer w0.152: v1(41.576,-43.7) SW5.2@42.9,-43.7 SW5.1@42.9,-53.7 42.9,-53.975 v1(41.92,-53.975)
  Bottom Layer w0.152: v1(41.576,-43.7) R25.1@42.9,-43.7 ; v1(41.92,-53.975) 42.195,-53.7 C23.1@42.9,-53.7
NetC27_1: C27.1 C37.1 ESP32.3 R?.1 SW6.3 SW6.4 | length 58.8
  Top Layer w0.152: v1(9.745,-31.521) 9.745,-27.846 10.195,-27.396 ; v1(11.391,-26.2) 10.195,-27.396 ; SW6.4@11.5,-27.396 10.195,-27.396 ; v1(20.542,-26.2) C37.1@23.8,-26.2 v1@23.8,-27.396 ; SW6.3@21.5,-27.396 22.578,-27.396 ; v1(23.857,-27.396) v1@23.8,-27.396 ; 22.578,-27.396 v1@23.8,-27.396 ; 22.578,-27.396 23.281,-28.1 C27.1@23.8,-28.1 v1@23.8,-27.396
  Bottom Layer w0.152: ESP32.3@1.3,-44.57 2.245,-44.57 2.245,-44.12 2.473,-44.12 4.077,-42.516 5.081,-42.516 5.347,-42.25 5.347,-32.242 6.068,-31.521 v1(9.745,-31.521) ; v1(11.391,-26.2) v1(20.542,-26.2) ; v1(23.857,-27.396) 26.578,-24.675 26.578,-22.796 27.023,-22.352 28.293,-22.352 28.61,-22.669 28.61,-27.9 R?.1@28.6,-27.9
NetC28_1: C28.1 ESP32.25 SW7.3 SW7.4 | length 24
  Top Layer w0.152: SW7.4@11.5,-19.896 SW7.3@21.142,-19.896 ; v1(19.909,-30.6) 20.232,-30.277 20.7,-30.277 C28.1@20.7,-29.921 ; C28.1@20.7,-29.9 C28.1@20.7,-29.921 ; SW7.3@21.5,-19.896 SW7.3@21.142,-19.896 ; C28.1@20.7,-29.921 20.292,-29.921 19.898,-29.527 19.898,-22.073 21.142,-20.828 SW7.3@21.142,-19.896
  Bottom Layer w0.152: ESP32.25@18.3,-30.6 v1(19.909,-30.6)
NetC51_1: C51.1 ESP32.33 R32.2 STM32.138 SW2.1 SW2.2 | length 27.6
  Top Layer w0.152: v1(17.002,-40.284) 17.8,-39.487 ; v1(20.584,-34.823) 17.825,-34.823 SW2.2@17.8,-35.9 17.8,-39.487 ; R32.2@20.7,-46.3 C51.1@19.2,-46.3 18.2,-46.3 SW2.1@17.8,-45.9 17.8,-39.487 ; STM32.138@25.75,-34.2 26.515,-34.2 26.781,-33.934 v1(26.781,-33.69)
  Bottom Layer w0.152: v1(17.002,-40.284) 17.06,-40.284 17.536,-40.76 ESP32.33@18.3,-40.76 ; v1(20.584,-34.823) 21.717,-33.69 v1(26.781,-33.69)
NetC61_1: C61.1 ESP32.36 R31.1 STM32.25 SW1.1 SW1.2 | length 51.4
  Top Layer w0.152: SW1.2@10.9,-35.9 v1(10.9,-43.917) SW1.1@10.9,-45.9 R31.1@13.2,-45.9 ; v1(34.782,-36.246) 38.618,-36.246 39.625,-37.253 STM32.25@39.625,-39.075 39.625,-41.58 39.65,-41.605 40.6,-41.605 C61.1@40.6,-41.6
  Bottom Layer w0.152: v1(10.9,-43.917) 14.056,-43.917 14.709,-44.57 ESP32.36@18.3,-44.57 19.288,-44.57 19.745,-44.113 19.745,-42.545 20.063,-42.227 21.663,-42.227 27.645,-36.246 v1(34.782,-36.246)
NetC98_1: C98.1 R45.2 STM32.71 | length 19.3
  Top Layer w0.152: v1(45.603,-21.412) 46.085,-20.93 46.085,-20.225 46.111,-20.2 STM32.71@47,-20.2
  Bottom Layer w0.152: C98.1@31.9,-24.8 31.9,-23.901 31.8,-23.801 R45.2@31.8,-22.9 31.8,-21.907 32.295,-21.412 v1(45.603,-21.412)
NetC99_2: C99.2 R45.1 STM32.106 | length 7.7
  Top Layer w0.152: STM32.106@28.625,-17.825 28.625,-19.529 v1(30.3,-21.204)
  Bottom Layer w0.152: C99.2@30.2,-24.8 30.2,-23.901 30.3,-23.801 R45.1@30.3,-22.9 v1(30.3,-21.204)
NetDISPLAY_3: DISPLAY.3 STM32.54 | length 22.7
  Top Layer w0.152: DISPLAY.3@40.38,-14.3 41.371,-13.309 43.758,-13.309 45.857,-15.408 45.857,-18.53 43.926,-20.461 43.926,-26.592 46.034,-28.7 STM32.54@47,-28.7
NetDISPLAY_4: DISPLAY.4 STM32.55 | length 37.6
  Top Layer w0.152: STM32.55@47,-28.2 47.945,-28.2 v1(49.108,-29.362) ; v1(49.108,-31.648) v1(50.759,-31.648) ; v1(51.114,-11.328) 52.486,-12.7 52.486,-29.921 v1(52.169,-30.239)
  Bottom Layer w0.152: DISPLAY.4@42.92,-14.3 45.892,-11.328 v1(51.114,-11.328) ; v1(49.108,-31.648) v1(49.108,-29.362) ; v1(50.759,-31.648) v1(52.169,-30.239)
NetENC_1_3: ENC_1.3 STM32.43 | length 3.9
  Top Layer w0.152: STM32.43@47,-34.2 47.889,-34.2 47.914,-34.225 47.914,-34.654 48.76,-35.5 ENC_1.3@50.1,-35.5
NetENC_1_4: ENC_1.4 STM32.124 | length 41.4
  Top Layer w0.152: STM32.124@25.75,-27.2 26.502,-27.2 27.873,-28.572 v1(27.873,-28.651) ; v1(37.398,-26.213) 37.398,-34.326 v1(40.004,-36.932) ; v1(49.921,-38.176) 51.064,-38.176 51.165,-38.075 51.165,-34.525 51.14,-34.5 ENC_1.4@50.1,-34.5
  Bottom Layer w0.152: v1(27.873,-28.651) 33.762,-28.651 36.2,-26.213 v1(37.398,-26.213) ; v1(40.004,-36.932) 41.248,-38.176 v1(49.921,-38.176)
NetENC_1_5: ENC_1.5 STM32.41 | length 5.9
  Top Layer w0.152: v1(45.945,-35.128) 46.017,-35.2 STM32.41@47,-35.2 ; v1(48.346,-34.214) 49.06,-33.5 ENC_1.5@50.1,-33.5
  Bottom Layer w0.152: v1(45.945,-35.128) 47.431,-35.128 v1(48.346,-34.214)
NetENC_1_6: ENC_1.6 STM32.44 | length 3.6
  Top Layer w0.152: STM32.44@47,-33.7 47.73,-33.7 48.93,-32.5 ENC_1.6@50.1,-32.5
NetENC_2_3: ENC_2.3 STM32.27 | length 17.9
  Top Layer w0.152: v1(40.573,-40.03) 40.625,-39.979 STM32.27@40.625,-39.075 ; ENC_2.3@49.9,-45.9 50.503,-45.9 v1(51.064,-45.339)
  Bottom Layer w0.152: v1(40.573,-40.03) 40.573,-44.92 40.993,-45.339 v1(51.064,-45.339)
NetENC_2_4: ENC_2.4 STM32.28 | length 19.4
  Top Layer w0.152: STM32.28@41.125,-39.075 41.125,-40.023 v1(41.132,-40.03) ; ENC_2.4@49.9,-44.9 52.138,-44.9 v1(52.537,-44.501)
  Bottom Layer w0.152: v1(41.132,-40.03) 41.132,-44.133 41.501,-44.501 v1(52.537,-44.501)
NetENC_2_5: ENC_2.5 STM32.69 | length 33.5
  Top Layer w0.152: STM32.69@47,-21.2 47.914,-21.2 48.346,-20.768 48.346,-18.732 48.639,-18.44 50.835,-18.44 51.943,-19.548 51.943,-27.905 51.681,-28.167 51.681,-43.13 50.911,-43.9 ENC_2.5@49.9,-43.9
NetENC_2_6: ENC_2.6 STM32.29 | length 12.7
  Top Layer w0.152: STM32.29@41.625,-39.075 41.625,-39.7 41.691,-39.766 v1(41.691,-40.03) ; v1(49.387,-39.726) 49.921,-40.259 49.921,-42.9 ENC_2.6@49.9,-42.9
  Bottom Layer w0.152: v1(41.691,-40.03) 42.504,-39.218 48.93,-39.218 49.387,-39.675 v1(49.387,-39.726)
NetENC_3_3: ENC_3.3 STM32.48 | length 12.1
  Top Layer w0.152: STM32.48@47,-31.7 47.723,-31.7 48.532,-30.89 50.631,-30.89 51.042,-30.48 51.042,-27.047 51.333,-26.756 51.333,-25.298 51.302,-25.267 51.064,-25.267 51.038,-25.241 51.038,-24.532 50.606,-24.1 ENC_3.3@50,-24.1
NetENC_3_4: ENC_3.4 STM32.112 | length 32.1
  Top Layer w0.152: STM32.112@25.75,-21.2 26.633,-21.2 v1(35.671,-30.239) ; v1(48.803,-24.917) 48.803,-23.495 49.198,-23.1 ENC_3.4@50,-23.1
  Bottom Layer w0.152: v1(35.671,-30.239) 35.84,-30.07 41.099,-30.07 41.248,-29.921 43.799,-29.921 47.21,-26.51 47.21,-26.01 47.253,-25.967 47.754,-25.967 v1(48.803,-24.917)
NetENC_3_5: ENC_3.5 STM32.111 | length 29.2
  Top Layer w0.152: STM32.111@25.75,-20.7 v1(26.781,-20.7) ; v1(49.235,-19.507) 48.956,-19.786 48.956,-22.073 48.983,-22.1 ENC_3.5@50,-22.1
  Bottom Layer w0.152: v1(26.781,-20.7) 26.781,-18.974 26.807,-18.948 48.676,-18.948 v1(49.235,-19.507)
NetENC_3_6: ENC_3.6 STM32.47 | length 16.2
  Top Layer w0.152: STM32.47@47,-32.2 47.697,-32.2 48.701,-31.195 51.211,-31.195 51.376,-31.03 51.376,-27.494 51.638,-27.232 51.638,-21.649 51.089,-21.1 ENC_3.6@50,-21.1
NetENC_4_3: ENC_4.3 STM32.67 | length 8.9
  Top Layer w0.152: v1(45.526,-24.841) 45.526,-22.944 46.27,-22.2 STM32.67@47,-22.2
  Bottom Layer w0.152: v1(45.526,-24.841) 47.533,-24.841 49.274,-23.1 ENC_4.3@50,-23.1
NetENC_4_4: ENC_4.4 STM32.66 | length 11.7
  Top Layer w0.152: STM32.66@47,-22.7 47.749,-22.7 v1(48.066,-23.017)
  Bottom Layer w0.152: v1(48.066,-23.017) 48.066,-23.591 47.375,-24.282 45.399,-24.282 44.917,-24.765 44.917,-25.088 45.438,-25.608 47.376,-25.608 48.885,-24.1 ENC_4.4@50,-24.1
NetENC_4_5: ENC_4.5 STM32.1 | length 44.7
  Top Layer w0.152: STM32.1@27.625,-39.075 27.625,-39.98 28.289,-40.644 28.289,-40.995 28.61,-41.317 28.823,-41.317 29.928,-42.421 45.65,-42.421 v1(46.415,-41.656)
  Bottom Layer w0.152: v1(46.415,-41.656) 46.901,-41.17 46.901,-40.107 46.949,-40.059 48.254,-40.059 48.936,-40.742 49.849,-40.742 52.613,-37.977 52.613,-29.693 51.038,-28.118 51.038,-25.125 51.013,-25.1 ENC_4.5@50,-25.1
NetENC_4_6: ENC_4.6 STM32.68 | length 38.8
  Top Layer w0.152: STM32.68@47,-21.7 47.889,-21.7 48.066,-21.878 v1(48.066,-22.352)
  Bottom Layer w0.152: v1(48.066,-22.352) 45.222,-22.352 43.444,-24.13 43.444,-29.21 43.088,-29.566 40.994,-29.566 40.794,-29.766 35.265,-29.766 35.243,-29.788 35.243,-30.582 35.598,-30.937 35.693,-30.937 36.125,-30.505 42.561,-30.505 42.786,-30.28 44.556,-30.28 47.533,-27.303 47.533,-26.297 47.558,-26.271 47.906,-26.271 48.092,-26.086 49.17,-26.086 49.184,-26.1 ENC_4.6@50,-26.1
NetENC_AB_1_3: ENC_AB_1.3 STM32.60 | length 20.3
  Top Layer w0.152: STM32.60@47,-25.7 44.966,-25.7 44.793,-25.527 44.793,-20.456 46.655,-18.594 46.655,-16.731 47.457,-15.929 48.244,-15.929 48.749,-16.434 51.013,-16.434 51.038,-16.408 51.038,-13.925 51.013,-13.9 ENC_AB_1.3@50,-13.9
NetENC_AB_1_4: ENC_AB_1.4 STM32.64 | length 15.6
  Top Layer w0.152: STM32.64@47,-23.7 48.473,-23.7 48.498,-23.675 48.498,-21.362 48.651,-21.209 48.651,-19.367 48.969,-19.05 v1(50.81,-19.05) ; ENC_AB_1.4@50,-12.9 50.911,-12.9 51.343,-13.332 51.343,-17.45 v1(50.81,-17.983)
  Bottom Layer w0.152: v1(50.81,-19.05) v1(50.81,-17.983)
NetENC_AB_2_3: ENC_AB_2.3 STM32.110 | length 41.1
  Top Layer w0.152: STM32.110@25.75,-20.2 24.807,-20.2 23.174,-18.567 21.841,-18.567 21.371,-18.098 21.371,-17.755 21.992,-17.133 25.71,-17.133 26.908,-15.935 26.908,-12.852 29.22,-10.541 31.328,-10.541 31.353,-10.516 v1(31.353,-9.652)
  Bottom Layer w0.152: v1(31.353,-9.652) 46.634,-9.652 49.286,-7 ENC_AB_2.3@50.1,-7
NetENC_AB_2_4: ENC_AB_2.4 STM32.35 | length 43.2
  Top Layer w0.152: STM32.35@44.625,-39.075 44.625,-39.954 45.158,-40.488 v1(47.33,-40.488) ; v1(51.419,-8) 52.867,-9.448 52.867,-38.633 v1(52.461,-39.04)
  Bottom Layer w0.152: v1(47.33,-40.488) 47.924,-41.081 50.419,-41.081 v1(52.461,-39.04) ; ENC_AB_2.4@50.1,-8 v1(51.419,-8)
NetENC_AB_3_3: ENC_AB_3.3 STM32.96 | length 16.7
  Top Layer w0.152: v1(33.145,-7.01) 33.334,-7.2 33.334,-16.01 33.625,-16.301 STM32.96@33.625,-17.825
  Bottom Layer w0.152: v1(33.145,-7.01) 36.511,-7.01 37.4,-6.121 ENC_AB_3.3@37.4,-5.1
NetENC_AB_3_4: ENC_AB_3.4 STM32.135 | length 48.8
  Top Layer w0.152: v1(22.006,-18.009) 25.478,-18.009 27.258,-16.228 27.258,-13.658 28.851,-12.065 31.15,-12.065 31.81,-11.405 31.81,-8.56 v1(31.175,-7.925) ; v1(23.428,-30.734) 23.428,-32.281 23.848,-32.7 STM32.135@25.75,-32.7
  Bottom Layer w0.152: v1(22.006,-18.009) 20.292,-18.009 19.669,-18.631 19.669,-24.206 19.695,-24.232 22.006,-24.232 22.539,-24.765 22.539,-29.845 v1(23.428,-30.734) ; v1(31.175,-7.925) 37.221,-7.925 38.4,-6.745 ENC_AB_3.4@38.4,-5.1
NetENC_AB_4_3: ENC_AB_4.3 STM32.81 | length 38.1
  Top Layer w0.152: STM32.81@41.125,-17.825 41.125,-15.596 v1(41.793,-14.928)
  Bottom Layer w0.152: v1(41.793,-14.928) 41.793,-12.7 41.475,-12.383 31.849,-12.383 30.896,-11.43 30.921,-9.207 44.311,-9.207 47.6,-5.918 ENC_AB_4.3@47.6,-4.9